# KiCad board V1.1.kicad_pcb (continued)
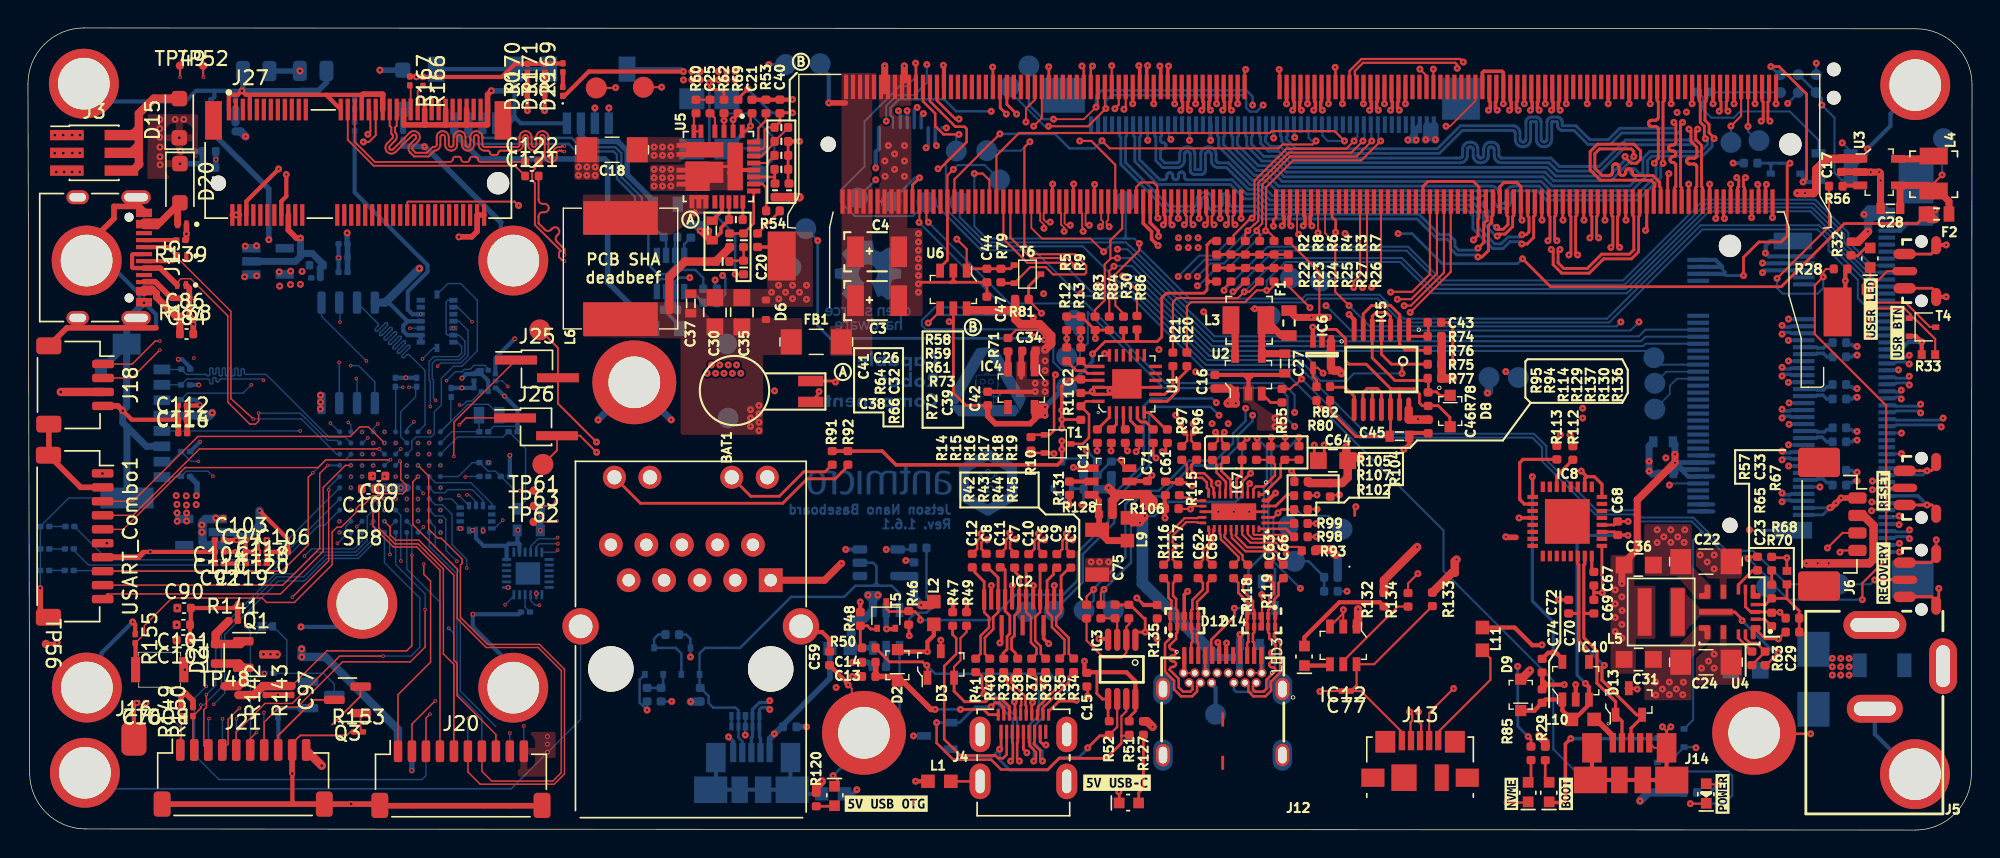
[diagram p0: board, top side]
## Routing (per net, layer and track width the routed paths; a pad name or vN(x,y) marks a point on that pad's centre or on a via; arc(x,y) is an arc through that point) (continued)
/CSI/CSI_D_D1_N: length 55.2
  Top w0.21: 109.16,42.27 109.16,43.91 109.25,43.99 109.25,44.98
  In5_3V3_SYS_SIGNAL.Cu w0.128: 133.79,19.9 133.61,20.07 132.15,20.07 131.56,20.66 120.77,20.66 119.11,22.33 114.99,22.33 111.85,25.47 111.85,26.04 111.85,26.07 111.84,26.1 111.82,26.12 111.8,26.14 111.78,26.15 111.75,26.16 111.73,26.17 111.58,26.17 111.5,26.18 111.42,26.2 111.36,26.24 111.3,26.3 111.26,26.37 111.23,26.44 111.22,26.52 111.22,26.57 111.23,26.65 111.26,26.73 111.3,26.79 111.36,26.85 111.42,26.89 111.5,26.92 111.58,26.93 112.35,26.93 112.38,26.93 112.41,26.94 112.43,26.96 112.45,26.97 112.46,27 112.47,27.02 112.48,27.05 112.48,27.06 112.47,27.09 112.46,27.11 112.45,27.14 112.43,27.16 112.41,27.17 112.38,27.18 112.35,27.18 111.6,27.18 111.53,27.19 111.46,27.22 111.4,27.26 111.34,27.31 111.31,27.37 111.28,27.44 111.27,27.52 111.27,27.62 111.28,27.69 111.31,27.76 111.34,27.82 111.4,27.87 111.46,27.91 111.53,27.94 111.6,27.95 112.35,27.95 112.38,27.95 112.41,27.96 112.43,27.97 112.45,27.99 112.46,28.02 112.47,28.04 112.48,28.07 112.48,28.08 112.47,28.11 112.46,28.13 112.45,28.16 112.43,28.18 112.41,28.19 112.38,28.2 112.35,28.2 111.58,28.2 111.5,28.21 111.42,28.24 111.36,28.28 111.3,28.34 111.26,28.4 111.23,28.48 111.22,28.56 111.22,28.61 111.23,28.69 111.26,28.76 111.3,28.83 111.36,28.89 111.42,28.93 111.5,28.96 111.58,28.96 111.73,28.96 111.75,28.97 111.78,28.98 111.8,28.99 111.82,29.01 111.84,29.03 111.85,29.06 111.85,29.09 111.85,38.47 111.12,39.21 109.14,39.21 108.91,39.44 107.88,40.47 107.88,42.71 108.18,43.01 108.98,43.01 109.13,42.86 109.13,42.38 v1(109.32,42.18)
  Bottom w0.21: 132.77,19.92 133.77,19.92
  vias: v1(133.82,19.9)
/CSI/CSI_D_D1_P: length 55.3
  Top w0.21: v1(108.68,42.18) 108.83,42.32 108.83,43.91 108.75,43.99 M1.66
  In5_3V3_SYS_SIGNAL.Cu w0.128: 133.79,20.52 133.59,20.32 133.3,20.32 133.27,20.32 133.24,20.33 133.22,20.35 133.2,20.37 133.18,20.39 133.17,20.42 133.17,20.45 133.17,20.56 133.17,20.58 133.16,20.61 133.14,20.64 133.12,20.66 133.1,20.67 133.07,20.68 133.04,20.68 133.01,20.68 132.99,20.67 132.96,20.66 132.94,20.64 132.93,20.61 132.92,20.58 132.92,20.56 132.92,20.45 132.91,20.42 132.9,20.39 132.89,20.37 132.87,20.35 132.84,20.33 132.82,20.32 132.79,20.32 132.26,20.32 132.24,20.34 132.23,20.37 132.22,20.4 132.22,20.43 132.23,20.45 132.24,20.48 132.26,20.5 132.41,20.65 132.42,20.67 132.44,20.7 132.44,20.72 132.44,20.75 132.44,20.78 132.42,20.81 132.41,20.83 132.38,20.85 132.36,20.86 132.33,20.87 132.3,20.87 132.27,20.86 132.25,20.85 132.22,20.83 132.08,20.68 132.06,20.66 132.03,20.65 132,20.65 131.97,20.65 131.95,20.65 131.92,20.66 131.9,20.68 131.66,20.92 120.87,20.92 119.21,22.58 115.09,22.58 112.1,25.57 112.1,26.06 112.09,26.14 112.07,26.22 112.02,26.29 111.97,26.34 111.9,26.38 111.83,26.41 111.75,26.42 111.6,26.42 111.57,26.42 111.55,26.43 111.52,26.45 111.5,26.47 111.49,26.49 111.48,26.52 111.48,26.54 111.48,26.55 111.48,26.58 111.49,26.61 111.5,26.63 111.52,26.65 111.55,26.66 111.57,26.67 111.6,26.68 112.37,26.68 112.45,26.68 112.53,26.71 112.59,26.75 112.65,26.81 112.69,26.88 112.72,26.95 112.73,27.03 112.73,27.08 112.72,27.16 112.69,27.24 112.65,27.3 112.59,27.36 112.53,27.4 112.45,27.43 112.37,27.44 111.62,27.44 111.6,27.44 111.58,27.45 111.56,27.46 111.55,27.47 111.54,27.49 111.53,27.51 111.53,27.54 111.53,27.59 111.53,27.62 111.54,27.64 111.55,27.66 111.56,27.67 111.58,27.68 111.6,27.69 111.62,27.69 112.37,27.69 112.45,27.7 112.53,27.73 112.59,27.77 112.65,27.83 112.69,27.89 112.72,27.97 112.73,28.05 112.73,28.1 112.72,28.18 112.69,28.25 112.65,28.32 112.59,28.38 112.53,28.42 112.45,28.45 112.37,28.46 111.6,28.46 111.57,28.46 111.55,28.47 111.52,28.48 111.5,28.5 111.49,28.53 111.48,28.55 111.48,28.58 111.48,28.59 111.48,28.62 111.49,28.64 111.5,28.66 111.52,28.68 111.55,28.7 111.57,28.71 111.6,28.71 111.75,28.71 111.83,28.72 111.9,28.75 111.97,28.79 112.02,28.85 112.07,28.91 112.09,28.99 112.1,29.07 112.1,38.58 111.22,39.46 109.24,39.46 108.13,40.57 108.13,42.6 108.28,42.75 108.88,42.75 108.88,42.37 v1(108.68,42.18)
  Bottom w0.21: 132.77,20.42 133.73,20.42 133.79,20.48
  vias: v1(133.82,20.52)
/CSI/CSI_E_CLK_N: length 43.8
  Top w0.21: M1.28 118.25,45.97 118.16,46.06 118.16,50.51 v1(118.31,50.65)
  Bottom w0.21: 89.56,50.4 89.56,49.68 89.65,49.6 89.65,49.3 90.51,48.43 100.92,48.43 102.56,50.08 106.14,50.08 106.19,50.07 106.23,50.06 106.27,50.03 106.31,50 106.33,49.96 106.35,49.91 106.35,49.87 106.35,49.42 106.37,49.31 106.4,49.2 106.46,49.1 106.55,49.02 106.64,48.96 106.75,48.92 106.87,48.91 106.93,48.91 107.04,48.92 107.15,48.96 107.25,49.02 107.33,49.1 107.39,49.2 107.43,49.31 107.44,49.42 107.44,50.64 107.44,50.65 107.45,50.66 107.45,50.67 107.46,50.68 107.47,50.69 107.49,50.69 107.5,50.69 107.8,50.69 107.82,50.69 107.83,50.69 107.84,50.68 107.85,50.67 107.86,50.66 107.86,50.65 107.86,50.64 107.86,49.42 107.88,49.31 107.91,49.2 107.97,49.1 108.06,49.02 108.15,48.96 108.26,48.92 108.38,48.91 108.44,48.91 108.55,48.92 108.66,48.96 108.76,49.02 108.84,49.1 108.9,49.2 108.94,49.31 108.95,49.42 108.95,50.64 108.95,50.65 108.96,50.66 108.96,50.67 108.97,50.68 108.98,50.69 109,50.69 109.01,50.69 109.31,50.69 109.33,50.69 109.34,50.69 109.35,50.68 109.36,50.67 109.37,50.66 109.37,50.65 109.37,50.64 109.37,50.45 109.38,50.36 109.41,50.29 109.45,50.22 109.51,50.16 109.58,50.11 109.66,50.09 109.74,50.08 110.55,50.08 111.55,49.07 113.14,49.07 113.96,49.89 117.97,49.89 118.16,50.09 118.16,50.51 v1(118.31,50.65)
/CSI/CSI_E_CLK_P: length 43.8
  Top w0.21: M1.30 117.75,45.97 117.83,46.06 117.83,47.57 117.82,47.61 117.81,47.66 117.78,47.7 117.75,47.73 117.71,47.75 117.67,47.77 117.58,47.78 117.53,47.79 117.5,47.82 117.46,47.85 117.44,47.89 117.42,47.93 117.42,47.98 117.42,47.99 117.42,48.03 117.44,48.08 117.46,48.12 117.5,48.15 117.53,48.17 117.58,48.19 117.67,48.2 117.71,48.21 117.75,48.24 117.78,48.27 117.81,48.31 117.82,48.35 117.83,48.4 117.82,48.45 117.81,48.49 117.78,48.53 117.75,48.56 117.71,48.59 117.67,48.6 117.62,48.61 117.53,48.61 117.48,48.61 117.44,48.63 117.4,48.66 117.36,48.69 117.34,48.73 117.32,48.77 117.32,48.82 117.32,48.87 117.34,48.91 117.36,48.95 117.4,48.98 117.44,49.01 117.48,49.02 117.53,49.03 117.62,49.03 117.67,49.03 117.71,49.05 117.75,49.08 117.78,49.11 117.81,49.15 117.82,49.19 117.83,49.24 117.83,50.51 v1(117.68,50.65)
  Bottom w0.21: v1(117.68,50.65) 117.83,50.51 117.83,50.22 113.82,50.22 113,49.41 111.69,49.41 110.68,50.41 109.76,50.41 109.75,50.41 109.74,50.42 109.73,50.42 109.72,50.43 109.71,50.44 109.71,50.46 109.71,50.47 109.71,50.66 109.7,50.74 109.67,50.82 109.63,50.89 109.57,50.95 109.5,50.99 109.42,51.02 109.34,51.03 108.99,51.03 108.9,51.02 108.83,50.99 108.76,50.95 108.7,50.89 108.65,50.82 108.63,50.74 108.62,50.66 108.62,49.45 108.61,49.41 108.6,49.36 108.57,49.32 108.54,49.29 108.5,49.27 108.45,49.25 108.41,49.24 108.36,49.25 108.32,49.27 108.28,49.29 108.24,49.32 108.22,49.36 108.2,49.41 108.2,49.45 108.2,50.66 108.19,50.74 108.16,50.82 108.12,50.89 108.06,50.95 107.99,50.99 107.91,51.02 107.83,51.03 107.48,51.03 107.39,51.02 107.32,50.99 107.25,50.95 107.19,50.89 107.14,50.82 107.12,50.74 107.11,50.66 107.11,49.45 107.1,49.41 107.09,49.36 107.06,49.32 107.03,49.29 106.99,49.27 106.94,49.25 106.9,49.24 106.85,49.25 106.81,49.27 106.77,49.29 106.73,49.32 106.71,49.36 106.69,49.41 106.69,49.45 106.69,49.9 106.67,50.01 106.64,50.12 106.58,50.22 106.49,50.3 106.4,50.36 106.29,50.4 106.17,50.41 102.43,50.41 100.78,48.77 90.65,48.77 89.98,49.44 89.98,49.6 90.06,49.68 90.06,50.4
/CSI/CSI_E_D0_N: length 43.7
  Top w0.21: v1(119.39,50.17) 119.25,50.02 119.25,49.43 119.66,49.01 119.66,46.06 119.75,45.97 M1.22
  Bottom w0.21: 88.06,50.4 88.06,49.68 88.15,49.6 88.15,49.15 88.71,48.59 89.41,48.59 90.24,47.76 102.41,47.76 102.52,47.78 102.63,47.81 102.73,47.87 102.81,47.96 102.87,48.05 102.91,48.16 102.92,48.28 102.92,48.69 102.93,48.74 102.94,48.78 102.97,48.82 103,48.86 103.04,48.88 103.09,48.9 103.13,48.9 103.18,48.9 103.22,48.88 103.26,48.86 103.3,48.82 103.32,48.78 103.34,48.74 103.34,48.69 103.34,48.28 103.36,48.16 103.39,48.05 103.45,47.96 103.54,47.87 103.63,47.81 103.74,47.78 103.86,47.76 103.91,47.76 104.02,47.78 104.13,47.81 104.23,47.87 104.31,47.96 104.37,48.05 104.41,48.16 104.42,48.28 104.42,48.69 104.43,48.74 104.44,48.78 104.47,48.82 104.5,48.86 104.54,48.88 104.59,48.9 104.63,48.9 104.68,48.9 104.72,48.88 104.76,48.86 104.8,48.82 104.82,48.78 104.84,48.74 104.84,48.69 104.84,48.28 104.86,48.16 104.89,48.05 104.95,47.96 105.04,47.87 105.13,47.81 105.24,47.78 105.36,47.76 108.76,47.76 109.36,47.16 112.48,47.16 113.72,48.4 113.72,48.41 114,48.69 114.01,48.69 114.37,49.06 118.87,49.06 119.25,49.43 119.25,50.02 v1(119.39,50.17)
/CSI/CSI_E_D0_P: length 43.7
  Top w0.21: v1(118.77,50.17) 118.91,50.02 118.91,49.29 119.33,48.87 119.33,48.3 119.32,48.25 119.31,48.21 119.28,48.17 119.25,48.14 119.21,48.11 119.17,48.1 119.12,48.09 118.81,48.09 118.77,48.09 118.72,48.07 118.68,48.04 118.65,48.01 118.62,47.97 118.61,47.93 118.6,47.88 118.61,47.83 118.62,47.79 118.65,47.75 118.68,47.72 118.72,47.69 118.77,47.68 118.81,47.67 119.12,47.67 119.17,47.67 119.21,47.65 119.25,47.62 119.28,47.59 119.31,47.55 119.32,47.51 119.33,47.46 119.33,46.06 119.25,45.97 M1.24
  Bottom w0.21: v1(118.77,50.17) 118.91,50.02 118.91,49.57 118.74,49.39 114.24,49.39 113.87,49.02 113.86,49.02 113.38,48.55 113.38,48.54 112.34,47.5 109.5,47.5 108.9,48.1 105.39,48.1 105.34,48.1 105.3,48.12 105.26,48.14 105.22,48.18 105.2,48.22 105.18,48.26 105.18,48.31 105.18,48.72 105.16,48.84 105.13,48.95 105.07,49.04 104.98,49.12 104.89,49.19 104.78,49.22 104.66,49.24 104.6,49.24 104.49,49.22 104.38,49.19 104.28,49.12 104.2,49.04 104.14,48.95 104.1,48.84 104.09,48.72 104.09,48.31 104.08,48.26 104.07,48.22 104.04,48.18 104.01,48.14 103.97,48.12 103.92,48.1 103.88,48.1 103.89,48.1 103.84,48.1 103.8,48.12 103.76,48.14 103.72,48.18 103.7,48.22 103.68,48.26 103.68,48.31 103.68,48.72 103.66,48.84 103.63,48.95 103.57,49.04 103.48,49.12 103.39,49.19 103.28,49.22 103.16,49.24 103.1,49.24 102.99,49.22 102.88,49.19 102.78,49.12 102.7,49.04 102.64,48.95 102.6,48.84 102.59,48.72 102.59,48.31 102.58,48.26 102.57,48.22 102.54,48.18 102.51,48.14 102.47,48.12 102.42,48.1 102.38,48.1 102.14,48.1 90.37,48.1 89.55,48.92 88.85,48.92 88.48,49.29 88.48,49.6 88.56,49.68 88.56,50.4
/CSI/CSI_E_D1_N: length 43.7
  Top w0.21: v1(114.82,48.21) 114.82,48.58 114.65,48.75 112.37,48.75 112.04,48.42 112.04,47.38 112.58,46.85 113.07,46.85 113.12,46.85 113.17,46.87 113.21,46.9 113.25,46.93 113.28,46.98 113.29,47.03 113.3,47.08 113.3,47.45 113.31,47.5 113.32,47.55 113.35,47.59 113.39,47.63 113.43,47.66 113.48,47.68 113.54,47.68 113.59,47.68 113.64,47.66 113.68,47.63 113.72,47.59 113.75,47.55 113.76,47.5 113.77,47.45 113.77,47.08 113.78,47.03 113.79,46.98 113.82,46.93 113.86,46.9 113.9,46.87 113.95,46.85 114.01,46.85 114.06,46.85 114.11,46.87 114.15,46.9 114.19,46.93 114.22,46.98 114.23,47.03 114.24,47.08 114.24,47.1 114.25,47.15 114.26,47.2 114.29,47.24 114.33,47.28 114.37,47.31 114.42,47.33 114.48,47.33 114.53,47.33 114.58,47.31 114.62,47.28 114.66,47.24 114.69,47.2 114.7,47.15 114.71,47.1 114.71,47.08 114.72,47.03 114.73,46.98 114.76,46.93 114.8,46.9 114.84,46.87 114.89,46.85 114.95,46.85 116.2,46.85 116.66,46.38 116.66,46.06 116.75,45.97 116.75,44.98
  Bottom w0.21: 87.06,50.4 87.06,49.68 87.15,49.6 87.15,48.96 88.23,47.88 89.17,47.88 89.96,47.09 108.48,47.09 109.1,46.47 113.19,46.47 114.68,47.97 114.68,48.06 v1(114.82,48.21) 114.82,48.15
/CSI/CSI_E_D1_P: length 43.5
  Top w0.21: v1(114.2,48.21) 114.2,48.15 114.63,47.73 115.02,47.73 115.3,48.01 115.3,48.62 114.83,49.09 112.23,49.09 111.7,48.56 111.7,47.24 112.44,46.51 116.06,46.51 116.33,46.24 116.33,46.06 116.25,45.97 116.25,44.98
  Bottom w0.21: 87.56,50.4 87.56,49.68 87.48,49.6 87.48,49.1 88.37,48.22 89.31,48.22 90.1,47.43 108.62,47.43 109.24,46.81 113.05,46.81 114.32,48.08 v1(114.2,48.21)
/CSI/CSI_F_D0_N: length 43.7
  Top w0.21: v1(120.57,49.49) 120.57,49.55 120.21,49.91 120.21,50.5 119.91,50.8 119.91,52.11 120,52.2 M1.21
  Bottom w0.21: v1(120.57,49.49) 120.42,49.35 120.42,48.92 119.73,48.23 116.11,48.23 115.81,47.93 115.81,46.89 114.68,45.76 108.86,45.76 108.2,46.42 89.68,46.42 88.89,47.21 87.85,47.21 86.15,48.91 86.15,49.6 86.06,49.68 86.06,50.4
/CSI/CSI_F_D0_P: length 43.7
  Top w0.21: M1.23 119.5,52.2 119.58,52.11 119.58,50.66 119.87,50.37 119.87,49.56 v1(119.94,49.49)
  Bottom w0.21: v1(119.94,49.49) 120.09,49.35 120.09,49.06 119.59,48.56 115.97,48.56 115.47,48.07 115.47,47.03 115.44,47 115.4,46.98 115.35,46.97 115.3,46.97 115.26,46.98 115.21,47 115.18,47.03 114.91,47.29 114.87,47.32 114.83,47.34 114.79,47.35 114.74,47.35 114.69,47.34 114.65,47.32 114.61,47.29 114.58,47.26 114.56,47.21 114.55,47.17 114.55,47.12 114.56,47.08 114.58,47.03 114.61,47 114.88,46.73 114.91,46.69 114.93,46.65 114.94,46.6 114.94,46.56 114.93,46.51 114.91,46.47 114.88,46.43 114.54,46.1 109,46.1 108.34,46.76 89.82,46.76 89.03,47.55 87.98,47.55 86.48,49.05 86.48,49.6 86.56,49.68 86.56,50.4
/CSI/CSI_F_D1_N: length 43.8
  Top w0.21: v1(116.91,47.73) 116.91,52.11 117,52.2 M1.33
  Bottom w0.21: v1(116.91,47.73) 116.91,47.67 116.75,47.51 116.75,46.71 115.13,45.09 108.59,45.09 107.93,45.75 106.29,45.75 106.23,45.75 106.18,45.73 106.13,45.7 106.09,45.66 106.06,45.61 106.04,45.55 106.03,45.49 106.03,45.06 106.02,44.94 105.98,44.82 105.91,44.71 105.82,44.62 105.72,44.56 105.6,44.52 105.48,44.5 105.41,44.5 105.28,44.52 105.17,44.56 105.06,44.62 104.97,44.71 104.9,44.82 104.86,44.94 104.85,45.06 104.85,45.49 104.84,45.55 104.82,45.61 104.79,45.66 104.75,45.7 104.7,45.73 104.65,45.75 104.59,45.75 89.29,45.75 88.52,46.52 87.55,46.52 85.15,48.92 85.15,49.07 85.14,49.07 85.14,49.47 85.15,49.48 85.15,49.6 85.06,49.68 85.06,50.4
/CSI/CSI_F_D1_P: length 43.8
  Top w0.21: v1(116.29,47.73) 116.43,47.87 116.43,47.93 116.58,48.07 116.58,50.13 116.57,50.18 116.56,50.23 116.53,50.27 116.49,50.31 116.45,50.33 116.4,50.35 116.35,50.35 116.11,50.35 116.06,50.36 116.01,50.38 115.97,50.4 115.93,50.44 115.9,50.48 115.89,50.53 115.88,50.58 115.89,50.63 115.9,50.68 115.93,50.72 115.97,50.76 116.01,50.78 116.06,50.8 116.11,50.8 116.35,50.8 116.4,50.81 116.45,50.83 116.49,50.85 116.53,50.89 116.56,50.93 116.57,50.98 116.58,51.03 116.58,52.11 116.5,52.2 M1.35
  Bottom w0.21: v1(116.29,47.73) 116.42,47.6 116.42,46.85 115,45.43 108.72,45.43 108.06,46.09 106.26,46.09 106.13,46.07 106.02,46.03 105.91,45.97 105.82,45.88 105.75,45.77 105.71,45.65 105.7,45.53 105.7,45.1 105.69,45.04 105.67,44.98 105.64,44.93 105.6,44.89 105.55,44.86 105.5,44.84 105.44,44.84 105.38,44.84 105.33,44.86 105.28,44.89 105.24,44.93 105.21,44.98 105.19,45.04 105.18,45.1 105.18,45.53 105.17,45.65 105.13,45.77 105.06,45.88 104.97,45.97 104.87,46.03 104.75,46.07 104.63,46.09 89.43,46.09 88.66,46.86 87.69,46.86 85.48,49.06 85.48,49.6 85.56,49.68 85.56,50.4
/CSI/CSI_G_CLK_N: length 37.3
  Top w0.21: v1(105.06,42.51) 105.2,42.66 105.63,42.66 106.16,43.2 106.16,43.91 106.25,43.99 M1.76
  Bottom w0.21: v1(105.06,42.51) 104.97,42.51 104.08,43.4 104.08,44.16 103.15,45.08 88.82,45.08 88.05,45.85 87.27,45.85 85.7,47.42 85.13,47.42 85.02,47.43 84.91,47.47 84.81,47.53 84.73,47.61 84.67,47.71 84.63,47.82 84.62,47.93 84.62,48.35 84.61,48.4 84.6,48.44 84.57,48.48 84.54,48.51 84.5,48.54 84.45,48.55 84.41,48.56 84.36,48.55 84.32,48.54 84.28,48.51 84.24,48.48 84.22,48.44 84.2,48.4 84.2,48.35 84.2,47.24 84.19,47.17 84.17,47.1 84.13,47.04 84.08,46.99 84.02,46.96 83.96,46.93 83.89,46.93 83.42,46.93 83.35,46.93 83.28,46.96 83.22,46.99 83.18,47.04 83.14,47.1 83.12,47.17 83.11,47.24 83.11,48.35 83.1,48.4 83.09,48.44 83.06,48.48 83.03,48.51 82.99,48.54 82.94,48.55 82.9,48.56 82.85,48.55 82.81,48.54 82.77,48.51 82.73,48.48 82.71,48.44 82.69,48.4 82.69,48.35 82.69,47.93 82.67,47.82 82.64,47.71 82.58,47.61 82.49,47.53 82.4,47.47 82.29,47.43 82.17,47.42 81.14,47.42 80.65,47.91 80.65,49.6 80.56,49.68 80.56,50.4
/CSI/CSI_G_CLK_P: length 37.3
  Top w0.21: v1(105.02,43.14) 105.16,42.99 105.49,42.99 105.83,43.33 105.83,43.91 105.75,43.99 M1.78
  Bottom w0.21: 83.86,48.39 83.86,47.26 83.44,47.26 83.44,48.39 ; 83.86,48.38 83.88,48.5 83.91,48.6 83.97,48.7 84.06,48.78 84.15,48.84 84.26,48.88 84.38,48.89 84.44,48.89 84.55,48.88 84.66,48.84 84.76,48.78 84.84,48.7 84.9,48.6 84.94,48.5 84.95,48.38 84.95,47.96 84.96,47.92 84.97,47.87 85,47.83 85.03,47.8 85.07,47.77 85.12,47.76 85.16,47.75 85.84,47.75 87.41,46.19 88.19,46.19 88.96,45.42 103.29,45.42 103.48,45.23 103.52,45.2 103.56,45.18 103.6,45.17 103.65,45.17 103.7,45.18 103.74,45.2 103.78,45.23 103.9,45.36 103.94,45.39 103.98,45.41 104.03,45.42 104.08,45.42 104.12,45.41 104.16,45.39 104.2,45.36 104.23,45.32 104.25,45.28 104.26,45.23 104.26,45.18 104.25,45.14 104.23,45.1 104.2,45.06 104.07,44.93 104.04,44.9 104.02,44.85 104.01,44.81 104.01,44.76 104.02,44.71 104.04,44.67 104.07,44.63 104.41,44.3 104.41,43.65 104.92,43.14 v1(105.02,43.14) ; 81.06,50.4 81.06,49.68 80.98,49.6 80.98,49.39 80.99,49.35 81,49.3 81.02,49.27 81.05,49.24 81.09,49.21 81.13,49.2 81.22,49.19 81.26,49.18 81.3,49.15 81.33,49.12 81.35,49.08 81.37,49.04 81.37,49 81.37,48.97 81.37,48.93 81.35,48.88 81.33,48.85 81.3,48.82 81.26,48.79 81.22,48.78 81.13,48.77 81.09,48.76 81.05,48.73 81.02,48.7 81,48.66 80.99,48.62 80.98,48.58 80.98,48.05 81.28,47.75 82.14,47.75 82.19,47.76 82.23,47.77 82.27,47.8 82.31,47.83 82.33,47.87 82.35,47.92 82.35,47.96 82.35,48.38 82.37,48.5 82.4,48.6 82.46,48.7 82.55,48.78 82.64,48.84 82.75,48.88 82.87,48.89 82.93,48.89 83.04,48.88 83.15,48.84 83.25,48.78 83.33,48.7 83.39,48.6 83.43,48.5 83.44,48.38
/CSI/CSI_G_D0_N: length 37.3
  Top w0.21: v1(106.82,41.95) 107.2,41.95 107.66,42.42 107.66,43.91 107.76,44.01 107.76,44.29 107.75,44.3 M1.70
  Bottom w0.21: v1(106.82,41.95) 106.65,42.11 105.97,42.11 105.48,41.62 104.74,41.62 103.32,43.04 103.32,43.97 102.87,44.41 88.54,44.41 87.77,45.18 86.99,45.18 85.97,46.21 80.79,46.21 79.15,47.85 79.15,49.6 79.06,49.68 79.06,50.4
/CSI/CSI_G_D0_P: length 37.3
  Top w0.21: v1(106.82,42.61) 107.13,42.61 107.33,42.81 107.33,43.86 107.25,43.94 M1.72
  Bottom w0.21: 79.56,50.4 79.56,49.68 79.48,49.6 79.48,47.99 80.93,46.54 81.22,46.54 81.27,46.55 81.31,46.56 81.35,46.59 81.39,46.62 81.41,46.66 81.43,46.71 81.43,46.75 81.43,46.84 81.44,46.89 81.45,46.93 81.48,46.97 81.51,47.01 81.55,47.03 81.6,47.05 81.64,47.05 81.69,47.05 81.73,47.03 81.77,47.01 81.81,46.97 81.83,46.93 81.85,46.89 81.85,46.84 81.85,46.75 81.86,46.71 81.87,46.66 81.9,46.62 81.93,46.59 81.97,46.56 82.02,46.55 82.06,46.54 82.11,46.55 82.15,46.56 82.19,46.59 82.23,46.62 82.25,46.66 82.27,46.71 82.27,46.75 82.27,46.89 82.28,46.94 82.29,46.98 82.32,47.02 82.35,47.06 82.39,47.08 82.44,47.1 82.48,47.1 82.53,47.1 82.57,47.08 82.61,47.06 82.65,47.02 82.67,46.98 82.69,46.94 82.69,46.89 82.69,46.75 82.7,46.71 82.71,46.66 82.74,46.62 82.77,46.59 82.81,46.56 82.86,46.55 82.9,46.54 86.11,46.54 87.13,45.52 87.91,45.52 88.68,44.75 103.01,44.75 103.65,44.11 103.65,43.18 104.88,41.95 105.34,41.95 105.83,42.45 106.66,42.45 v1(106.82,42.61)
/CSI/CSI_G_D1_N: length 37.3
  Top w0.21: v1(103.68,41.02) 103.97,41.02 104.43,41.48 104.43,43.26 104.66,43.5 104.66,43.91 104.75,43.99 M1.82
  Bottom w0.21: v1(103.68,41.02) 103.53,41.17 102.17,41.17 101.7,41.64 101.7,42.06 101.48,42.28 100.79,42.28 99.33,43.74 88.27,43.74 87.7,44.31 84.86,44.31 84.75,44.32 84.64,44.36 84.54,44.42 84.46,44.5 84.4,44.6 84.36,44.7 84.35,44.82 84.35,45.1 84.35,45.15 84.33,45.19 84.3,45.23 84.27,45.26 84.23,45.29 84.19,45.3 84.14,45.31 84.09,45.3 84.05,45.29 84.01,45.26 83.98,45.23 83.95,45.19 83.94,45.15 83.93,45.1 83.93,44.82 83.92,44.7 83.88,44.6 83.82,44.5 83.74,44.42 83.64,44.36 83.53,44.32 83.42,44.31 83.39,44.31 81.48,44.31 78.15,47.64 78.15,49.6 78.06,49.68 78.06,50.4
/CSI/CSI_G_D1_P: length 37.3
  Top w0.21: v1(103.69,41.65) 103.69,41.64 104.1,42.05 104.1,43.4 104.33,43.63 104.33,43.91 104.25,43.99 M1.84
  Bottom w0.21: v1(103.69,41.65) 103.54,41.5 102.31,41.5 102.04,41.77 102.04,42.2 101.62,42.62 100.93,42.62 99.47,44.08 88.4,44.08 87.84,44.64 86.11,44.64 86.06,44.65 86.01,44.66 85.97,44.69 85.93,44.73 85.91,44.77 85.89,44.82 85.89,44.87 85.89,45.35 85.88,45.4 85.86,45.45 85.84,45.49 85.8,45.52 85.76,45.55 85.71,45.57 85.66,45.57 85.61,45.57 85.56,45.55 85.52,45.52 85.48,45.49 85.46,45.45 85.44,45.4 85.44,45.35 85.44,44.87 85.43,44.82 85.41,44.77 85.39,44.73 85.35,44.69 85.31,44.66 85.26,44.65 85.21,44.64 84.9,44.64 84.85,44.65 84.8,44.66 84.76,44.69 84.73,44.72 84.71,44.76 84.69,44.8 84.69,44.85 84.69,45.13 84.67,45.24 84.63,45.35 84.57,45.45 84.49,45.53 84.39,45.59 84.29,45.63 84.17,45.64 84.11,45.64 83.99,45.63 83.89,45.59 83.79,45.53 83.71,45.45 83.65,45.35 83.61,45.24 83.6,45.13 83.6,44.85 83.59,44.8 83.57,44.76 83.55,44.72 83.52,44.69 83.48,44.66 83.43,44.65 83.39,44.64 81.62,44.64 78.48,47.78 78.48,49.6 78.56,49.68 78.56,50.4
/Display/TMDS_C1_CLK_N: length 7.4
  Top w0.18: IC2.12 68.37,15.59 68.72,15.24 68.72,14.51 68.12,13.9 68.12,12.62 R41.1
  Top w0.2: 67.71,18.84 67.71,18.44 68.37,17.78 IC2.12
/Display/TMDS_C1_CLK_P: length 7.3
  Top w0.18: R40.1 68.42,12.62 68.42,13.78 69.02,14.38 69.02,15.24 69.37,15.59 IC2.10
  Top w0.2: IC2.10 69.37,18.06 68.68,18.76
/Display/TMDS_C1_D0_N: length 7
  Top w0.2: 69.64,18.86 69.87,18.62 IC2.9 69.87,15.68 70.21,15.34 70.21,14.06 70.01,13.86 70.01,12.94 69.72,12.65 69.72,12.26
/Display/TMDS_C1_D0_P: length 7.1
  Top w0.2: 70.59,18.86 70.59,18.47 70.97,18.09 70.97,17.57 70.87,17.47 IC2.7 70.87,15.68 70.54,15.34 70.54,13.92 70.34,13.72 70.34,12.94 70.62,12.65 70.62,12.26
/Display/TMDS_C1_D1_N: length 7.1
  Top w0.18: IC2.6 71.37,15.6 71.72,15.25 71.72,13.41 72.12,13.02 72.12,12.62 R37.1
  Top w0.2: IC2.6 71.37,18.68 71.55,18.86
/Display/TMDS_C1_D1_P: length 7.1
  Top w0.18: IC2.4 72.37,15.6 72.37,15.6 72.02,15.25 72.02,13.54 72.42,13.14 72.42,12.62 R36.1
  Top w0.2: IC2.4 72.37,18.72 72.51,18.86
/Display/TMDS_C1_D2_N: length 7.5
  Top w0.18: R35.1 74.12,12.62 74.12,13.63 73.22,14.52 73.22,15.25 72.87,15.6 IC2.3
  Top w0.2: IC2.3 72.87,17.85 73.33,18.31 73.33,18.73 73.46,18.86
/Display/TMDS_C1_D2_P: length 7.3
  Top w0.18: R34.1 74.42,12.62 74.42,13.75 73.52,14.65 73.52,15.22 73.87,15.57 IC2.1
  Top w0.2: IC2.1 73.87,18.18 74.42,18.73
/Display/TMDS_CEC: length 50.8
  Top w0.15: v1(98.83,37.05) 101.73,39.95 101.73,44.97 M1.94
  In3_SIGNAL.Cu w0.15: v1(85.17,29.69) 86.17,29.69 87.07,28.79 87.97,28.79 88.47,29.29 88.47,31.99 90.27,33.79 95.97,33.79 98.83,36.65 v1(98.83,37.05)
  Bottom w0.18: TP25.1 75.42,17.74 75.42,19.74 77.67,21.99 77.67,23.59 80.17,26.09 80.17,29.79 80.67,30.29 84.57,30.29 v1(85.17,29.69)
/Display/TMDS_CEC_IN: length 10.3
  Top w0.15: 67.11,14.63 67.11,14.17 66.68,13.73 66.68,12.15 66.22,11.69 D3.2
  Top w0.2: J4.15 70.18,8.83 69.58,9.43 68.73,9.43 68.48,9.18 66.98,9.18 66.22,9.94 D3.2
/Display/TMDS_CLK_C_N: length 9.8
  Top w0.18: 67.92,11.3 68.22,11 68.22,10.13 68.36,9.99 v1(68.36,9.76) ; v1(70.27,4.93) 70.43,5.09 70.43,6.24 70.38,6.28 J4.14
  Bottom w0.18: v1(68.36,9.76) 68.58,9.76 70.43,7.92 70.43,5.09 v1(70.27,4.93)
/Display/TMDS_CLK_C_P: length 9.8
  Top w0.18: J4.12 70.78,6.28 70.73,6.24 70.73,5.09 v1(70.89,4.93) ; 68.82,11.3 68.52,11 68.52,10.25 68.57,10.2 v1(68.8,10.2)
  Bottom w0.18: v1(70.89,4.93) 70.73,5.09 70.73,8.05 68.8,9.98 v1(68.8,10.2)
/Display/TMDS_CLK_N: length 70.7
  Top w0.18: C12.1 67.87,20.12 67.87,20.7 68.15,20.98 v1(68.15,21.21)
  Top w0.25: v1(105.06,51.52) 104.93,51.65 104.93,52.11 105,52.17 105,53.18
  In3_SIGNAL.Cu w0.18: v1(68.15,21.21) 68.01,21.07 67.77,21.07 67.32,21.52 67.32,22.04 67.33,22.08 67.34,22.12 67.36,22.15 67.39,22.18 67.42,22.2 67.46,22.22 67.5,22.22 67.63,22.22 67.67,22.23 67.7,22.24 67.74,22.26 67.77,22.29 67.79,22.32 67.8,22.36 67.81,22.4 67.8,22.44 67.79,22.48 67.77,22.51 67.74,22.54 67.7,22.56 67.67,22.58 67.63,22.58 67.5,22.58 67.46,22.59 67.42,22.6 67.39,22.62 67.36,22.65 67.34,22.68 67.33,22.72 67.32,22.76 67.32,28.27 67.31,28.37 67.28,28.47 67.22,28.55 67.15,28.62 67.07,28.68 66.97,28.71 66.87,28.72 66.69,28.72 66.65,28.72 66.62,28.74 66.58,28.76 66.56,28.78 66.54,28.82 66.52,28.85 66.52,28.89 66.52,28.94 66.52,28.98 66.54,29.02 66.56,29.05 66.58,29.08 66.62,29.1 66.65,29.11 66.69,29.11 66.87,29.11 66.97,29.13 67.07,29.16 67.15,29.21 67.22,29.28 67.28,29.37 67.31,29.46 67.32,29.56 67.32,29.67 67.31,29.77 67.28,29.87 67.22,29.95 67.15,30.02 67.07,30.08 66.97,30.11 66.87,30.12 66.69,30.12 66.65,30.12 66.62,30.14 66.58,30.16 66.56,30.18 66.54,30.22 66.52,30.25 66.52,30.29 66.52,30.34 66.52,30.38 66.54,30.42 66.56,30.45 66.58,30.48 66.62,30.5 66.65,30.51 66.69,30.51 66.87,30.51 66.97,30.53 67.07,30.56 67.15,30.61 67.22,30.68 67.28,30.77 67.31,30.86 67.32,30.96 67.32,34.49 68.72,35.89 68.72,44.26 72.37,47.91 102.65,47.91 105.06,50.31 v1(105.06,51.52)
/Display/TMDS_CLK_P: length 70.7
  Top w0.18: v1(68.59,20.77) 68.36,20.77 68.17,20.58 68.17,20.12 C8.1
  Top w0.25: v1(104.43,51.52) 104.56,51.65 104.56,52.11 104.5,52.17 104.5,53.18
  In3_SIGNAL.Cu w0.18: v1(68.59,20.77) 68.4,20.77 68.37,20.75 67.93,20.75 67.9,20.77 67.64,20.77 67.02,21.4 67.02,28.24 67.01,28.28 67,28.32 66.98,28.35 66.95,28.38 66.92,28.4 66.88,28.41 66.84,28.41 66.66,28.41 66.56,28.43 66.47,28.46 66.38,28.51 66.31,28.58 66.26,28.67 66.23,28.76 66.21,28.86 66.21,28.97 66.23,29.07 66.26,29.17 66.31,29.25 66.38,29.32 66.47,29.38 66.56,29.41 66.66,29.42 66.84,29.42 66.88,29.42 66.92,29.44 66.95,29.46 66.98,29.48 67,29.52 67.01,29.55 67.02,29.59 67.02,29.64 67.01,29.68 67,29.72 66.98,29.75 66.95,29.78 66.92,29.8 66.88,29.81 66.84,29.81 66.66,29.81 66.56,29.83 66.47,29.86 66.38,29.91 66.31,29.98 66.26,30.07 66.23,30.16 66.21,30.26 66.21,30.37 66.23,30.47 66.26,30.57 66.31,30.65 66.38,30.72 66.47,30.78 66.56,30.81 66.66,30.82 66.84,30.82 66.88,30.82 66.92,30.84 66.95,30.86 66.98,30.88 67,30.92 67.01,30.95 67.02,30.99 67.02,34.64 68.42,36.04 68.42,44.39 72.24,48.21 102.53,48.21 104.59,50.28 104.59,51.36 v1(104.43,51.52)